# KiCad board panel.kicad_pcb (continued)
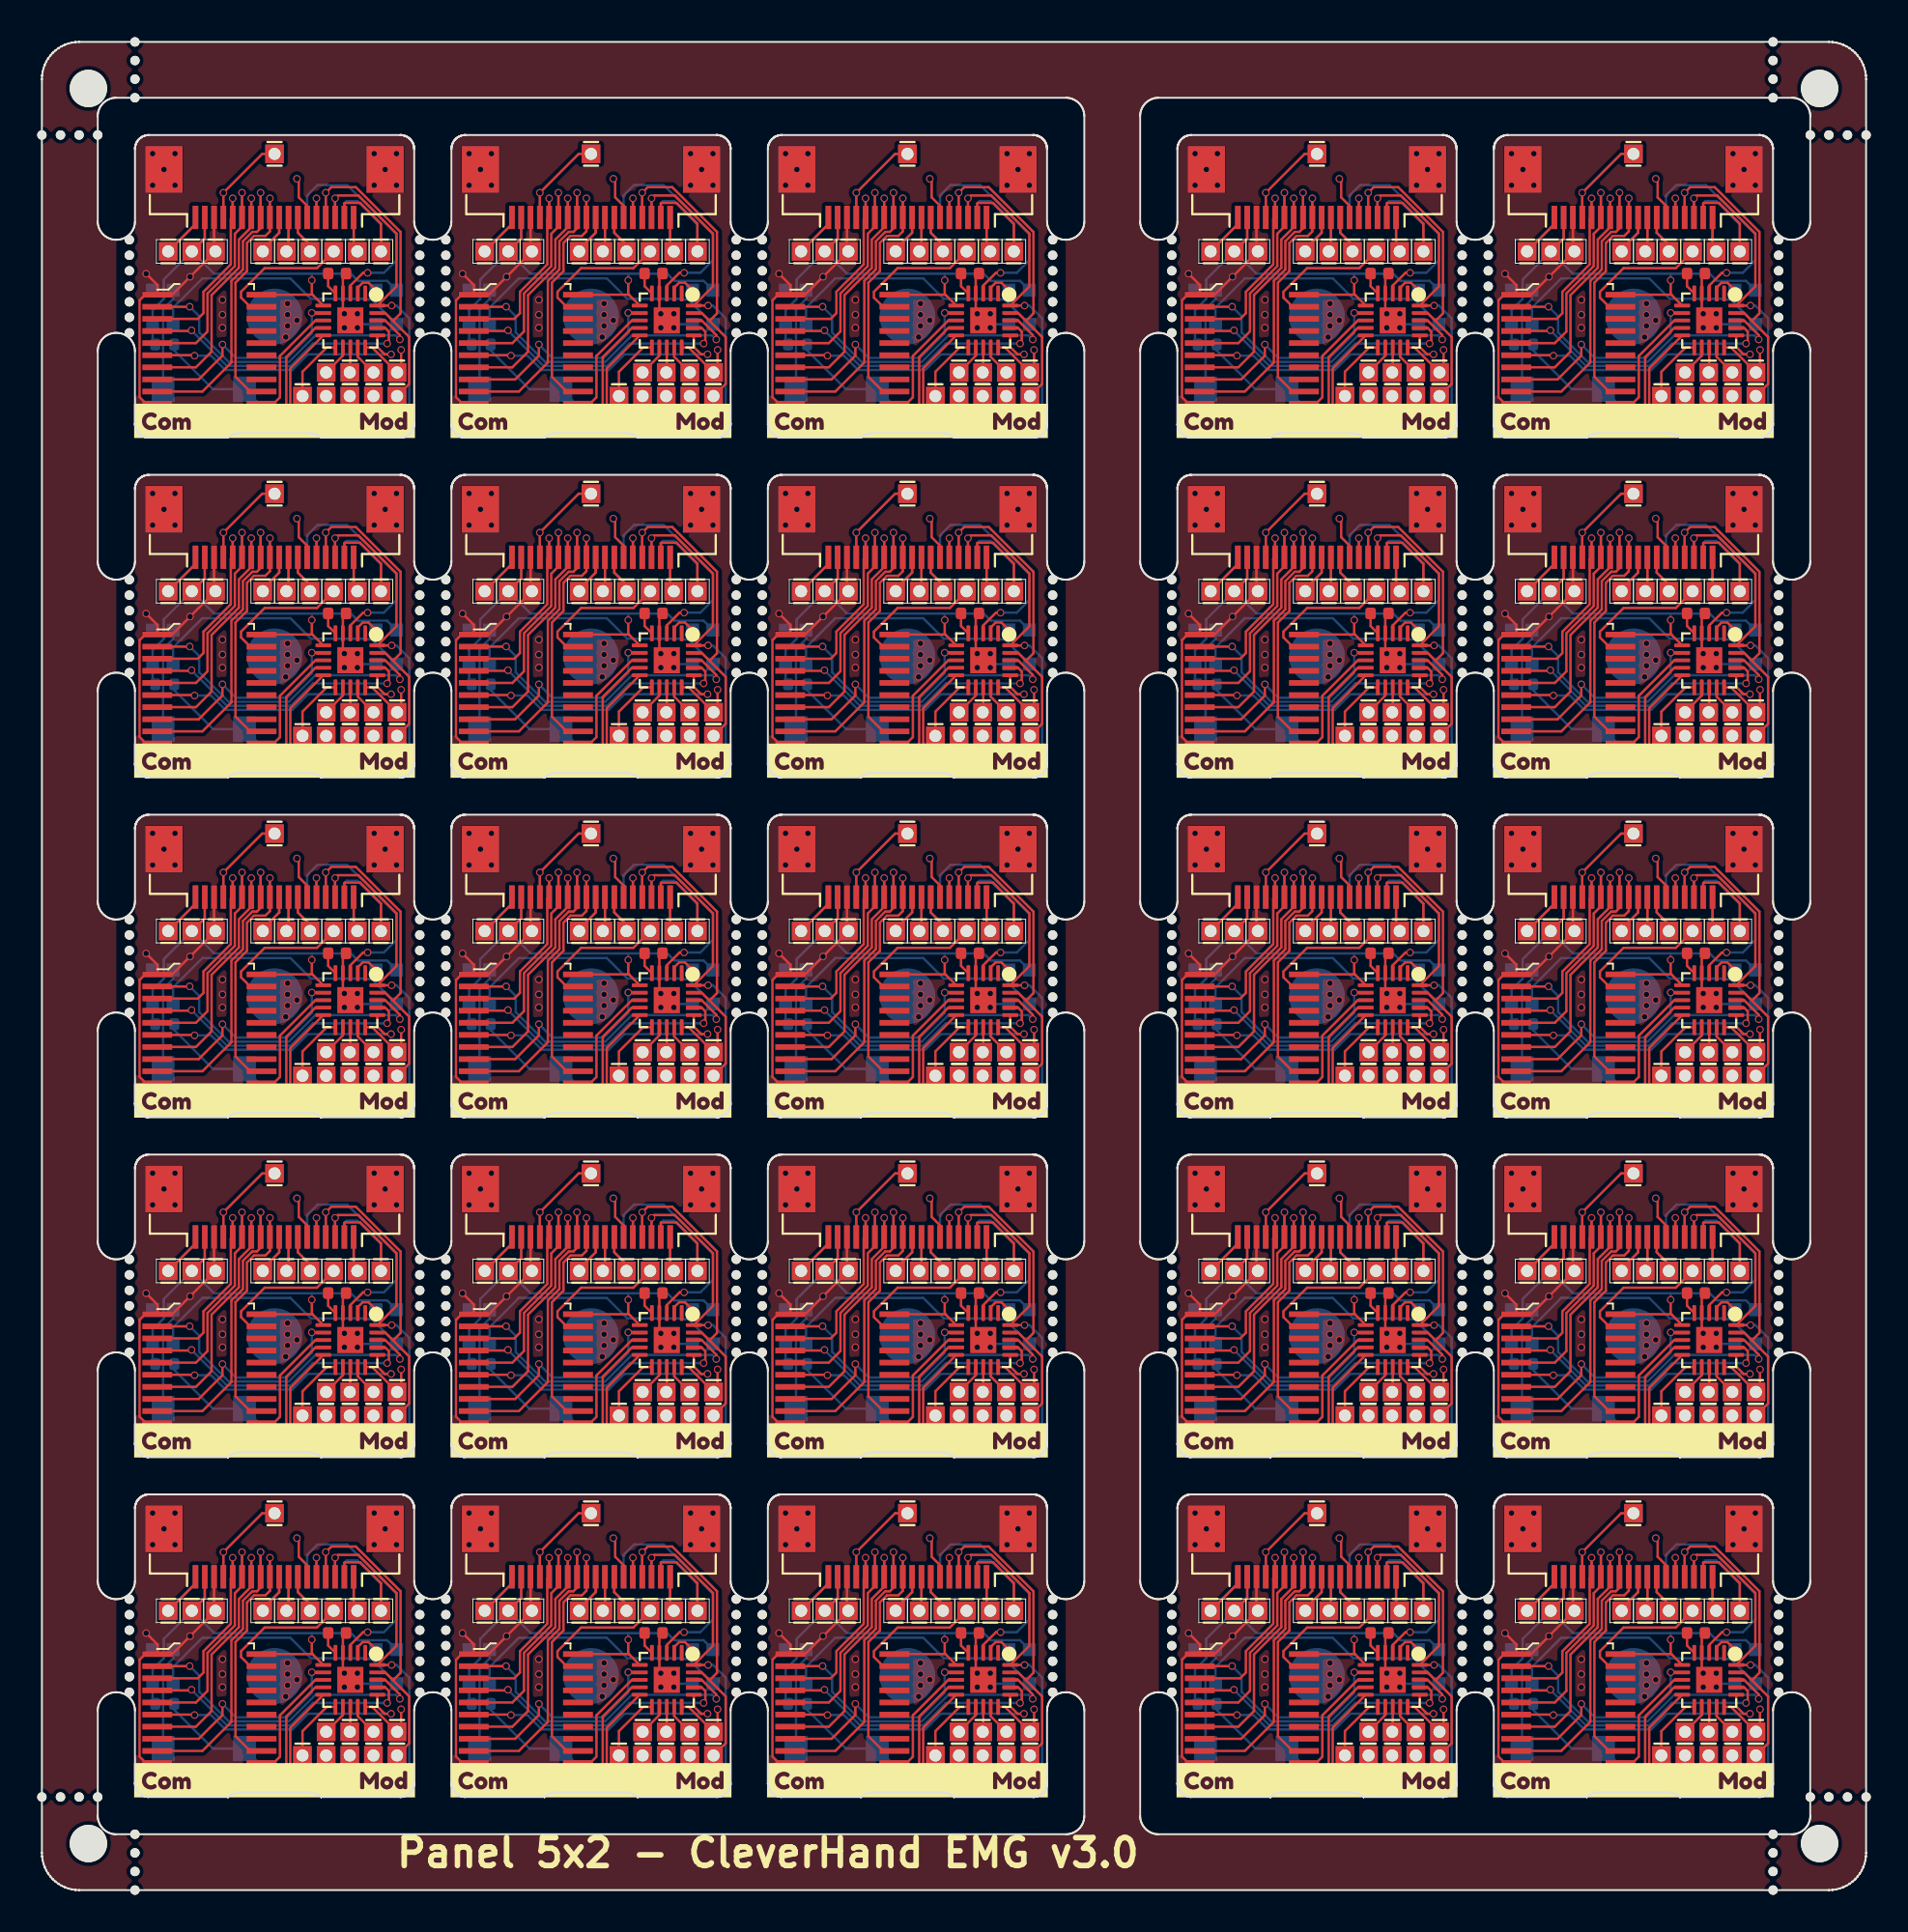
[diagram p0: board, top side]
## Routing (per net, layer and track width the routed paths; a pad name or vN(x,y) marks a point on that pad's centre or on a via; arc(x,y) is an arc through that point) (continued)
  Back w0.127: J10#2.18 25.25,89.47 J19#3.1
Board_1-/AUX2: length 9.4
  Front w0.127: J20#21.1 35.22,89.49 34.1,90.6 33.28,90.6 33.25,90.58 J10#2.2
  Back w0.127: J20#21.1 35.22,89.44 33.96,90.7 33.37,90.7 33.25,90.58 J10#2.2
Board_1-/AUX3: length 6.3
  Front w0.127: J3#5.1 28.84,93.24 v1(26.75,91.15) J10#2.15
  Back w0.127: v1(26.75,91.15) J10#2.15
Board_1-/CSB: length 7.5
  Front w0.127: J8#22.1 31.77,87.1 28.97,87.1 27.7,85.83 27.7,85.52 28.19,85.03 U2#8.19
Board_1-/extRef: length 3.8
  Front w0.127: J9#16.1 33.75,88.2 J10#2.1
  Back w0.127: J10#2.1 33.75,88.2 J9#16.1
Board_1-/GPIO: length 16.9
  Front w0.127: U1#12.10 30.35,81.72 30.35,79.59 30.36,79.58 31.62,79.58 J21#19.1
  Back w0.127: R1#3.2 24.11,82.68 26.19,80.6 SW1#15.1 28.91,79.58 31.62,79.58 J21#19.1
Board_1-/i2C_SCL: length 19.6
  Front w0.127: J10#2.3 v1(32.75,90.85) 32.9,91 34.01,91 36.05,88.96 36.05,86.12 U1#12.20 v1(35.79,85.09)
  Back w0.127: v1(32.75,90.85) J10#2.3 ; v1(35.79,85.09) 36.05,85.09 36.73,84.41 36.73,79.58 35.46,79.58 J16#7.1
Board_1-/I2C_SDA: length 18.4
  Front w0.127: J10#2.4 v1(32.25,91.15) 32.55,91.45 33.86,91.45 36.27,89.05 36.27,84.67 35.87,84.27 ; 35.87,84.27 36.73,83.4 36.73,80.88 J17#13.1 ; 35.87,84.27 35.44,84.69 U1#12.19
  Back w0.127: v1(32.25,91.15) J10#2.4
Board_1-/IO1_in: length 12.2
  Front w0.127: U1#12.3 33.57,86.17 34.25,86.85 v1(34.5,86.85)
  Back w0.127: J4#11.13 31.25,91 31.81,91.56 33.4,91.56 36.05,88.91 36.05,87.53 35.37,86.85 v1(34.5,86.85)
Board_1-/IO1_out: length 19.7
  Front w0.127: U1#12.15 34.74,82.84 J11#16.1 36.3,81.72 v1(36.3,82.71) ; J10#2.6 31.25,90.45 30.8,90.9 30.8,91.8 v1(30.7,91.9)
  In2.Cu w0.127: v1(36.3,82.71) 36.64,83.05 36.64,89.11 33.65,92.1 30.9,92.1 v1(30.7,91.9)
Board_1-/IO2: length 2.1
  Front w0.127: v1(31.75,90.85) J10#2.5
  Back w0.127: J10#2.5 v1(31.75,90.85)
Board_1-/LED_IN: length 1.6
  Front w0.127: U1#12.2 33.97,86.05 34.23,86.32 34.55,86.32 v1(34.95,85.92)
Board_1-/MISO: length 4.4
  Front w0.127: J5#4.1 28.86,88.12 29.75,89 J10#2.9
  Back w0.127: J5#4.1 28.86,88.12 29.75,89 J10#2.9
Board_1-/MOSI: length 3.7
  Front w0.127: J6#23.1 30.25,88.12 J10#2.8
  Back w0.127: J10#2.8 30.25,88.12 J6#23.1
Board_1-/MOSI_ARM: length 1.4
  Front w0.127: J13#22.1 33.57,81.53 U1#12.13
Board_1-/SCLK: length 4.2
  Front w0.127: J7#12.1 31.41,88.35 30.75,89 J10#2.7
  Back w0.127: J10#2.7 30.75,89 31.41,88.35 J7#12.1
Board_1-/SCLK_ARM: length 1.7
  Front w0.127: U1#12.12 33.17,82.4 J14#25.1
Board_1-/SPICS_ARM: length 9.3
  Front w0.127: U1#12.9 31.69,83.89 30.13,82.32 30.13,79.5 30.27,79.36 32.67,79.36 J15#19.1
Board_1-/SWDIO/MISO_ARM: length 1.7
  Front w0.127: J12#21.1 33.97,82.34 U1#12.14
Board_1-/Vcap: length 1.2
  Front w0.127: U1#12.5 32.38,86.13 C1#14.2
Board_1-GND: length 27.5
  Front w0.127: U2#8.1 23.2,86.2 v1(22.6,86.8) ; U2#8.1 22.55,85.68 22.25,85.37 22.25,80.17 22.59,79.83 U2#8.10 ; U2#8.1 24,85.68 v1(24.96,86.64) J2#13.1 26.25,88.08 J10#2.16 ; U1#12.21 33.25,84.61 v1(33.25,84.65) 33.21,84.65 33.17,84.69 U1#12.4 33.17,86.64 C1#14.1
  Back w0.127: 33.66,84.09 33.76,84.09 v1(33.95,83.9) 34.13,84.09 LED1#10.2 ; J2#13.1 26.25,88.08 J10#2.16 ; SW1#15.2 23.51,84.9 24.05,85.44 LED2#11.2 24.24,85.92 v1(24.96,86.64)
  vias: v1(22.95,93.25) v1(22.95,91.55) v1(23.56,92.4) v1(24.15,93.25) v1(24.15,91.55) v1(26.7,85.4) v1(26.7,84.6) v1(26.7,83.9) v1(30.1,83.4) v1(30.2,85.2) v1(30.2,84.6) v1(30.2,84) v1(30.7,84.3) v1(33.25,83.9) v1(33.95,84.65) v1(34.85,93.25) v1(34.85,91.55) v1(35.44,92.4) v1(36.05,93.25) v1(36.05,91.55)
Board_1-Net-(LED1-DO): length 14.6
  Back w0.127: LED1#10.1 34.72,85.41 34.48,85.41 34.45,85.45 31.45,85.45 30.35,86.55 25.62,86.55 24.05,84.98 LED2#11.3
Board_2-+3.3V: length 26.7
  Front w0.127: J1#23.1 42.75,88.7 J10#11.17 ; 48.55,85.66 48.5,85.71 v1(48.5,86.45) ; 48.55,85.66 U1#23.6 ; 48.55,85.66 48.53,85.68 U2#14.20
  Back w0.127: 48.5,86.8 v1(48.5,86.45) ; 48.5,86.8 50.6,86.8 50.98,86.42 52.55,86.42 LED1#2.4 ; 48.5,86.8 43.26,86.8 J1#23.1 ; J1#23.1 42.75,88.7 J10#11.17 ; J1#23.1 40.55,86.49 40.55,85.45 39.95,84.85 LED2#19.4 39.95,83.14 R1#8.1
Board_2-/addr_bus_0: length 10.5
  Front w0.127: v1(44.25,90.85) J10#11.14 44.15,89.73 44.15,87.3 42.68,85.83 42.68,84.68 42.37,84.38 U2#14.3
  Back w0.127: J10#11.14 v1(44.25,90.85)
Board_2-/addr_bus_1: length 12.5
  Front w0.127: U2#14.5 42.27,83.08 42.9,83.7 42.9,85.74 44.37,87.21 44.37,88.95 44.75,89.33 J10#11.13 v1(44.75,91.15)
  Back w0.127: J10#11.13 v1(44.75,91.15)
Board_2-/addr_bus_2: length 13.4
  Front w0.127: U2#14.7 42.27,81.78 43.12,82.62 43.12,85.65 44.58,87.12 44.58,88.63 45.25,89.3 J10#11.12 v1(45.25,90.85)
  Back w0.127: J10#11.12 v1(45.25,90.85)
Board_2-/addr_bus_3: length 15.9
  Front w0.127: U2#14.9 42.62,80.48 44.18,82.03 44.18,86.41 44.8,87.03 44.8,88.54 45.3,89.05 45.55,89.05 45.75,89.24 J10#11.11 v1(45.75,91.15)
  Back w0.127: J10#11.11 v1(45.75,91.15)
Board_2-/addr_bus_4: length 13.5
  Front w0.127: U2#14.12 45.19,80.48 44.4,81.27 44.4,86.32 45.02,86.94 45.02,88.45 45.39,88.83 46.01,88.83 46.25,89.07 J10#11.10 v1(46.25,90.85)
  Back w0.127: J10#11.10 v1(46.25,90.85)
Board_2-/addr_mod_0: length 17.2
  Front w0.127: U2#14.2 41.93,85.03 v1(41.94,85.03) ; v1(53.23,83.27) 53.23,83.51 52.44,84.29 U1#23.18
  Back w0.127: v1(41.94,85.03) 42.45,84.52 42.45,83.65 44.04,82.06 47.27,82.06 48.69,83.49 53.01,83.49 v1(53.23,83.27)
Board_2-/addr_mod_1: length 15
  Front w0.127: U2#14.4 42,83.73 v1(42.04,83.76) ; v1(52.55,83.05) 52.55,83.11 52.64,83.2 52.64,83.7 52.44,83.89 U1#23.17
  Back w0.127: v1(42.04,83.76) 42.04,83.75 43.95,81.85 47.36,81.85 48.56,83.05 v1(52.55,83.05)
Board_2-/addr_mod_2: length 14.8
  Front w0.127: U2#14.6 42.17,82.43 v1(42.2,82.4) ; v1(52.76,82.47) 52.42,82.47 52.02,82.87 U1#23.16
  Back w0.127: v1(52.76,82.47) 48.29,82.47 47.45,81.63 43.86,81.63 43.09,82.4 v1(42.2,82.4)
Board_2-/addr_mod_3: length 12
  Front w0.127: v1(48.5,84.7) 48.68,84.7 48.69,84.69 U1#23.7 ; U2#14.8 42.42,81.13 43.7,82.4 v1(43.7,83)
  Back w0.127: v1(48.5,84.7) 48.5,83.6 47.18,82.28 44.42,82.28 v1(43.7,83)
Board_2-/addr_mod_4: length 6.5
  Front w0.127: U1#23.8 48.69,84.29 46.79,82.39 46.79,80.17 46.45,79.83 U2#14.11
Board_2-/AIN0: length 3.6
  Front w0.127: J18#21.1 48,81.54 49.3,82.84 U1#23.11
Board_2-/AUX1: length 4.9
  Front w0.127: J19#23.1 42.25,89.47 J10#11.18
  Back w0.127: J19#23.1 42.25,89.47 J10#11.18
Board_2-/AUX2: length 9.4
  Front w0.127: J20#7.1 52.22,89.49 51.1,90.6 50.28,90.6 50.25,90.58 J10#11.2
  Back w0.127: J10#11.2 50.25,90.58 50.37,90.7 50.96,90.7 52.22,89.44 J20#7.1
Board_2-/AUX3: length 6.3
  Front w0.127: J3#24.1 45.84,93.24 v1(43.75,91.15) J10#11.15
  Back w0.127: v1(43.75,91.15) J10#11.15
Board_2-/CSB: length 7.5
  Front w0.127: J8#2.1 48.77,87.1 45.97,87.1 44.7,85.83 44.7,85.52 45.19,85.03 U2#14.19
Board_2-/extRef: length 3.8
  Front w0.127: J9#5.1 50.75,88.2 J10#11.1
  Back w0.127: J9#5.1 50.75,88.2 J10#11.1
Board_2-/GPIO: length 16.9
  Front w0.127: U1#23.10 47.35,81.72 47.35,79.59 47.36,79.58 48.62,79.58 J21#18.1
  Back w0.127: J21#18.1 48.62,79.58 45.91,79.58 SW1#4.1 43.19,80.6 41.11,82.68 R1#8.2
Board_2-/i2C_SCL: length 19.6
  Front w0.127: v1(52.79,85.09) U1#23.20 53.05,86.12 53.05,88.96 51.01,91 49.9,91 v1(49.75,90.85) J10#11.3
  Back w0.127: v1(52.79,85.09) 53.05,85.09 53.73,84.41 53.73,79.58 52.46,79.58 J16#25.1 ; v1(49.75,90.85) J10#11.3
Board_2-/I2C_SDA: length 18.4
  Front w0.127: J17#23.1 53.73,80.88 53.73,83.4 52.87,84.27 ; J10#11.4 v1(49.25,91.15) 49.55,91.45 50.86,91.45 53.27,89.05 53.27,84.67 52.87,84.27 ; U1#23.19 52.44,84.69 52.87,84.27
  Back w0.127: v1(49.25,91.15) J10#11.4
Board_2-/IO1_in: length 12.2
  Front w0.127: v1(51.5,86.85) 51.25,86.85 50.57,86.17 U1#23.3
  Back w0.127: J4#23.13 48.25,91 48.81,91.56 50.4,91.56 53.05,88.91 53.05,87.53 52.37,86.85 v1(51.5,86.85)
Board_2-/IO1_out: length 19.7
  Front w0.127: J10#11.6 48.25,90.45 47.8,90.9 47.8,91.8 v1(47.7,91.9) ; U1#23.15 51.74,82.84 J11#21.1 53.3,81.72 v1(53.3,82.71)
  In2.Cu w0.127: v1(47.7,91.9) 47.9,92.1 50.65,92.1 53.64,89.11 53.64,83.05 v1(53.3,82.71)
Board_2-/IO2: length 2.1
  Front w0.127: v1(48.75,90.85) J10#11.5
  Back w0.127: J10#11.5 v1(48.75,90.85)
Board_2-/LED_IN: length 1.6
  Front w0.127: U1#23.2 50.97,86.05 51.23,86.32 51.55,86.32 v1(51.95,85.92)
Board_2-/MISO: length 4.4
  Front w0.127: J5#6.1 45.87,88.12 46.75,89 J10#11.9
  Back w0.127: J5#6.1 45.87,88.12 46.75,89 J10#11.9
Board_2-/MOSI: length 3.7
  Front w0.127: J6#19.1 47.25,88.12 J10#11.8
  Back w0.127: J10#11.8 47.25,88.12 J6#19.1
Board_2-/MOSI_ARM: length 1.4
  Front w0.127: U1#23.13 50.57,81.53 J13#25.1
Board_2-/SCLK: length 4.2
  Front w0.127: J10#11.7 47.75,89 48.41,88.35 J7#5.1
  Back w0.127: J10#11.7 47.75,89 48.41,88.35 J7#5.1
Board_2-/SCLK_ARM: length 1.7
  Front w0.127: U1#23.12 50.17,82.4 J14#3.1
Board_2-/SPICS_ARM: length 9.3
  Front w0.127: J15#11.1 49.67,79.36 47.27,79.36 47.13,79.5 47.13,82.32 48.69,83.89 U1#23.9
Board_2-/SWDIO/MISO_ARM: length 1.7
  Front w0.127: U1#23.14 50.97,82.34 J12#12.1
Board_2-/Vcap: length 1.2
  Front w0.127: C1#17.2 49.38,86.13 U1#23.5
Board_2-GND: length 27.5
  Front w0.127: U2#14.1 40.2,86.2 v1(39.6,86.8) ; U2#14.1 41,85.68 v1(41.96,86.64) J2#17.1 43.25,88.08 J10#11.16 ; U2#14.1 39.55,85.68 39.25,85.37 39.25,80.17 39.59,79.83 U2#14.10 ; U1#23.21 50.25,84.61 v1(50.25,84.65) 50.21,84.65 50.17,84.69 U1#23.4 50.17,86.64 C1#17.1
  Back w0.127: LED1#2.2 51.13,84.09 v1(50.95,83.9) 50.76,84.09 50.66,84.09 ; SW1#4.2 40.51,84.9 41.05,85.44 LED2#19.2 41.24,85.92 v1(41.96,86.64) ; J10#11.16 43.25,88.08 J2#17.1
  vias: v1(39.95,93.25) v1(39.95,91.55) v1(40.56,92.4) v1(41.15,93.25) v1(41.15,91.55) v1(43.7,85.4) v1(43.7,84.6) v1(43.7,83.9) v1(47.1,83.4) v1(47.2,85.2) v1(47.2,84.6) v1(47.2,84) v1(47.7,84.3) v1(50.25,83.9) v1(50.95,84.65) v1(51.85,93.25) v1(51.85,91.55) v1(52.44,92.4) v1(53.05,93.25) v1(53.05,91.55)
Board_2-Net-(LED1-DO): length 14.6
  Back w0.127: LED1#2.1 51.72,85.41 51.48,85.41 51.45,85.45 48.45,85.45 47.35,86.55 42.62,86.55 41.05,84.98 LED2#19.3
Board_3-+3.3V: length 26.7
  Front w0.127: 70.55,85.66 70.5,85.71 v1(70.5,86.45) ; 70.55,85.66 U1#24.6 ; 70.55,85.66 70.53,85.68 U2#11.20 ; J1#22.1 64.75,88.7 J10#14.17
  Back w0.127: 70.5,86.8 65.25,86.8 J1#22.1 ; 70.5,86.8 72.6,86.8 72.98,86.42 74.55,86.42 LED1.4 ; 70.5,86.8 v1(70.5,86.45) ; J10#14.17 64.75,88.7 J1#22.1 ; J1#22.1 62.55,86.49 62.55,85.45 61.95,84.85 LED2#25.4 61.95,83.14 R1#21.1
Board_3-/addr_bus_0: length 10.5
  Front w0.127: v1(66.25,90.85) J10#14.14 66.15,89.73 66.15,87.3 64.68,85.83 64.68,84.68 64.37,84.38 U2#11.3
  Back w0.127: J10#14.14 v1(66.25,90.85)
Board_3-/addr_bus_1: length 12.5
  Front w0.127: v1(66.75,91.15) J10#14.13 66.75,89.33 66.37,88.95 66.37,87.21 64.9,85.74 64.9,83.7 64.27,83.08 U2#11.5
  Back w0.127: J10#14.13 v1(66.75,91.15)
Board_3-/addr_bus_2: length 13.4
  Front w0.127: U2#11.7 64.27,81.78 65.12,82.62 65.12,85.65 66.58,87.12 66.58,88.63 67.25,89.3 J10#14.12 v1(67.25,90.85)
  Back w0.127: J10#14.12 v1(67.25,90.85)
Board_3-/addr_bus_3: length 15.9
  Front w0.127: v1(67.75,91.15) J10#14.11 67.75,89.24 67.55,89.05 67.3,89.05 66.8,88.54 66.8,87.03 66.18,86.41 66.18,82.03 64.62,80.48 U2#11.9
  Back w0.127: J10#14.11 v1(67.75,91.15)
Board_3-/addr_bus_4: length 13.5
  Front w0.127: U2#11.12 67.19,80.48 66.4,81.27 66.4,86.32 67.02,86.94 67.02,88.45 67.39,88.83 68.01,88.83 68.25,89.07 J10#14.10 v1(68.25,90.85)
  Back w0.127: J10#14.10 v1(68.25,90.85)
Board_3-/addr_mod_0: length 17.2
  Front w0.127: v1(63.94,85.03) 63.93,85.03 U2#11.2 ; v1(75.23,83.27) 75.23,83.51 74.44,84.29 U1#24.18
  Back w0.127: v1(63.94,85.03) 64.45,84.52 64.45,83.65 66.04,82.06 69.27,82.06 70.69,83.49 75.01,83.49 v1(75.23,83.27)
Board_3-/addr_mod_1: length 15
  Front w0.127: v1(64.04,83.76) 64,83.73 U2#11.4 ; U1#24.17 74.44,83.89 74.64,83.7 74.64,83.2 74.55,83.11 v1(74.55,83.05)
  Back w0.127: v1(64.04,83.76) 64.04,83.75 65.95,81.85 69.36,81.85 70.56,83.05 v1(74.55,83.05)
Board_3-/addr_mod_2: length 14.8
  Front w0.127: v1(64.2,82.4) 64.17,82.43 U2#11.6 ; v1(74.76,82.47) 74.42,82.47 74.02,82.87 U1#24.16
  Back w0.127: v1(64.2,82.4) 65.09,82.4 65.86,81.63 69.45,81.63 70.29,82.47 v1(74.76,82.47)
Board_3-/addr_mod_3: length 12
  Front w0.127: U2#11.8 64.42,81.13 65.7,82.4 v1(65.7,83) ; v1(70.5,84.7) 70.68,84.7 70.69,84.69 U1#24.7
  Back w0.127: v1(70.5,84.7) 70.5,83.6 69.18,82.28 66.42,82.28 v1(65.7,83)
Board_3-/addr_mod_4: length 6.5
  Front w0.127: U1#24.8 70.69,84.29 68.79,82.39 68.79,80.17 68.45,79.83 U2#11.11
Board_3-/AIN0: length 3.6
  Front w0.127: U1#24.11 71.3,82.84 70,81.54 J18#14.1
Board_3-/AUX1: length 4.9
  Front w0.127: J10#14.18 64.25,89.47 J19#17.1
  Back w0.127: J10#14.18 64.25,89.47 J19#17.1
Board_3-/AUX2: length 9.4
  Front w0.127: J10#14.2 72.25,90.58 72.28,90.6 73.1,90.6 74.22,89.49 J20#24.1
  Back w0.127: J20#24.1 74.22,89.44 72.96,90.7 72.37,90.7 72.25,90.58 J10#14.2
Board_3-/AUX3: length 6.3
  Front w0.127: J10#14.15 v1(65.75,91.15) 67.84,93.24 J3#22.1
  Back w0.127: v1(65.75,91.15) J10#14.15
Board_3-/CSB: length 7.5
  Front w0.127: J8#20.1 70.78,87.1 67.97,87.1 66.7,85.83 66.7,85.52 67.19,85.03 U2#11.19
Board_3-/extRef: length 3.8
  Front w0.127: J10#14.1 72.75,88.2 J9#14.1
  Back w0.127: J9#14.1 72.75,88.2 J10#14.1
Board_3-/GPIO: length 16.9
  Front w0.127: U1#24.10 69.35,81.72 69.35,79.59 69.36,79.58 70.62,79.58 J21#12.1
  Back w0.127: R1#21.2 63.11,82.68 65.19,80.6 SW1#9.1 67.91,79.58 70.62,79.58 J21#12.1
Board_3-/i2C_SCL: length 19.6
  Front w0.127: v1(74.79,85.09) U1#24.20 75.05,86.12 75.05,88.96 73.01,91 71.9,91 v1(71.75,90.85) J10#14.3
  Back w0.127: v1(74.79,85.09) 75.05,85.09 75.73,84.41 75.73,79.58 74.46,79.58 J16#9.1 ; v1(71.75,90.85) J10#14.3
Board_3-/I2C_SDA: length 18.4
  Front w0.127: 74.87,84.27 75.73,83.4 75.73,80.88 J17#8.1 ; 74.87,84.27 75.27,84.67 75.27,89.05 72.86,91.45 71.55,91.45 v1(71.25,91.15) J10#14.4 ; 74.87,84.27 74.44,84.69 U1#24.19
  Back w0.127: v1(71.25,91.15) J10#14.4
Board_3-/IO1_in: length 12.2
  Front w0.127: U1#24.3 72.57,86.17 73.25,86.85 v1(73.5,86.85)
  Back w0.127: J4#22.13 70.25,91 70.81,91.56 72.4,91.56 75.05,88.91 75.05,87.53 74.37,86.85 v1(73.5,86.85)
Board_3-/IO1_out: length 19.7
  Front w0.127: v1(69.7,91.9) 69.8,91.8 69.8,90.9 70.25,90.45 J10#14.6 ; U1#24.15 73.74,82.84 J11#22.1 75.3,81.72 v1(75.3,82.71)
  In2.Cu w0.127: v1(75.3,82.71) 75.64,83.05 75.64,89.11 72.65,92.1 69.9,92.1 v1(69.7,91.9)
Board_3-/IO2: length 2.1
  Front w0.127: v1(70.75,90.85) J10#14.5
  Back w0.127: J10#14.5 v1(70.75,90.85)
Board_3-/LED_IN: length 1.6
  Front w0.127: v1(73.95,85.92) 73.55,86.32 73.23,86.32 72.97,86.05 U1#24.2
Board_3-/MISO: length 4.4
  Front w0.127: J5#21.1 67.86,88.12 68.75,89 J10#14.9
  Back w0.127: J10#14.9 68.75,89 67.86,88.12 J5#21.1
Board_3-/MOSI: length 3.7
  Front w0.127: J6#3.1 69.25,88.12 J10#14.8
  Back w0.127: J6#3.1 69.25,88.12 J10#14.8
Board_3-/MOSI_ARM: length 1.4
  Front w0.127: U1#24.13 72.57,81.53 J13#5.1
Board_3-/SCLK: length 4.2
  Front w0.127: J10#14.7 69.75,89 70.41,88.35 J7#21.1
  Back w0.127: J10#14.7 69.75,89 70.41,88.35 J7#21.1
Board_3-/SCLK_ARM: length 1.7
  Front w0.127: U1#24.12 72.17,82.4 J14#7.1
Board_3-/SPICS_ARM: length 9.3
  Front w0.127: U1#24.9 70.69,83.89 69.13,82.32 69.13,79.5 69.27,79.36 71.67,79.36 J15#23.1
Board_3-/SWDIO/MISO_ARM: length 1.7
  Front w0.127: U1#24.14 72.97,82.34 J12#22.1
Board_3-/Vcap: length 1.2
  Front w0.127: U1#24.5 71.38,86.13 C1#2.2
Board_3-GND: length 27.5
  Front w0.127: U2#11.1 63,85.68 v1(63.96,86.64) J2#16.1 65.25,88.08 J10#14.16 ; U2#11.1 61.55,85.68 61.25,85.37 61.25,80.17 61.59,79.83 U2#11.10 ; U2#11.1 62.2,86.2 v1(61.6,86.8) ; U1#24.21 72.25,84.61 v1(72.25,84.65) 72.21,84.65 72.17,84.69 U1#24.4 72.17,86.64 C1#2.1
  Back w0.127: J10#14.16 65.25,88.08 J2#16.1 ; LED1.2 73.13,84.09 v1(72.95,83.9) 72.76,84.09 72.66,84.09 ; SW1#9.2 62.51,84.9 63.05,85.44 LED2#25.2 63.24,85.92 v1(63.96,86.64)
  vias: v1(61.95,93.25) v1(61.95,91.55) v1(62.56,92.4) v1(63.15,93.25) v1(63.15,91.55) v1(65.7,85.4) v1(65.7,84.6) v1(65.7,83.9) v1(69.1,83.4) v1(69.2,85.2) v1(69.2,84.6) v1(69.2,84) v1(69.7,84.3) v1(72.25,83.9) v1(72.95,84.65) v1(73.85,93.25) v1(73.85,91.55) v1(74.44,92.4) v1(75.05,93.25) v1(75.05,91.55)
Board_3-Net-(LED1-DO): length 14.6
  Back w0.127: LED2#25.3 63.05,84.98 64.62,86.55 69.35,86.55 70.45,85.45 73.45,85.45 73.48,85.41 73.72,85.41 LED1.1
Board_4-+3.3V: length 26.7
  Front w0.127: 87.55,85.66 87.5,85.71 v1(87.5,86.45) ; 87.55,85.66 U1#3.6 ; 87.55,85.66 87.53,85.68 U2#12.20 ; J1#4.1 81.75,88.7 J10.17
  Back w0.127: J1#4.1 82.25,86.8 87.5,86.8 ; J1#4.1 81.75,88.7 J10.17 ; J1#4.1 79.55,86.49 79.55,85.45 78.95,84.85 LED2#7.4 78.95,83.14 R1#14.1 ; 87.5,86.8 v1(87.5,86.45) ; 87.5,86.8 89.6,86.8 89.98,86.42 91.55,86.42 LED1#24.4
Board_4-/addr_bus_0: length 10.5
  Front w0.127: v1(83.25,90.85) J10.14 83.15,89.73 83.15,87.3 81.68,85.83 81.68,84.68 81.37,84.38 U2#12.3
  Back w0.127: J10.14 v1(83.25,90.85)
Board_4-/addr_bus_1: length 12.5
  Front w0.127: U2#12.5 81.27,83.08 81.9,83.7 81.9,85.74 83.37,87.21 83.37,88.95 83.75,89.33 J10.13 v1(83.75,91.15)
  Back w0.127: J10.13 v1(83.75,91.15)
Board_4-/addr_bus_2: length 13.4
  Front w0.127: v1(84.25,90.85) J10.12 84.25,89.3 83.58,88.63 83.58,87.12 82.12,85.65 82.12,82.62 81.27,81.78 U2#12.7
  Back w0.127: J10.12 v1(84.25,90.85)
Board_4-/addr_bus_3: length 15.9
  Front w0.127: v1(84.75,91.15) J10.11 84.75,89.24 84.55,89.05 84.3,89.05 83.8,88.54 83.8,87.03 83.18,86.41 83.18,82.03 81.62,80.48 U2#12.9
  Back w0.127: J10.11 v1(84.75,91.15)
Board_4-/addr_bus_4: length 13.5
  Front w0.127: U2#12.12 84.19,80.48 83.4,81.27 83.4,86.32 84.02,86.94 84.02,88.45 84.39,88.83 85.01,88.83 85.25,89.07 J10.10 v1(85.25,90.85)
  Back w0.127: J10.10 v1(85.25,90.85)
Board_4-/addr_mod_0: length 17.2
  Front w0.127: v1(80.94,85.03) 80.93,85.03 U2#12.2 ; v1(92.23,83.27) 92.23,83.51 91.44,84.29 U1#3.18
  Back w0.127: v1(92.23,83.27) 92.01,83.49 87.69,83.49 86.27,82.06 83.04,82.06 81.45,83.65 81.45,84.52 v1(80.94,85.03)
Board_4-/addr_mod_1: length 15
  Front w0.127: U2#12.4 81,83.73 v1(81.04,83.76) ; U1#3.17 91.44,83.89 91.64,83.7 91.64,83.2 91.55,83.11 v1(91.55,83.05)
  Back w0.127: v1(81.04,83.76) 81.04,83.75 82.95,81.85 86.36,81.85 87.56,83.05 v1(91.55,83.05)
Board_4-/addr_mod_2: length 14.8
  Front w0.127: U2#12.6 81.17,82.43 v1(81.2,82.4) ; v1(91.76,82.47) 91.42,82.47 91.02,82.87 U1#3.16
  Back w0.127: v1(81.2,82.4) 82.09,82.4 82.86,81.63 86.45,81.63 87.29,82.47 v1(91.76,82.47)
Board_4-/addr_mod_3: length 12
  Front w0.127: U2#12.8 81.42,81.13 82.7,82.4 v1(82.7,83) ; v1(87.5,84.7) 87.68,84.7 87.69,84.69 U1#3.7
  Back w0.127: v1(87.5,84.7) 87.5,83.6 86.18,82.28 83.42,82.28 v1(82.7,83)
Board_4-/addr_mod_4: length 6.5
  Front w0.127: U1#3.8 87.69,84.29 85.79,82.39 85.79,80.17 85.45,79.83 U2#12.11
Board_4-/AIN0: length 3.6
  Front w0.127: J18#12.1 87,81.54 88.3,82.84 U1#3.11
Board_4-/AUX1: length 4.9
  Front w0.127: J10.18 81.25,89.47 J19#16.1
  Back w0.127: J19#16.1 81.25,89.47 J10.18
Board_4-/AUX2: length 9.4
  Front w0.127: J20#22.1 91.22,89.49 90.1,90.6 89.28,90.6 89.25,90.58 J10.2
  Back w0.127: J20#22.1 91.22,89.44 89.96,90.7 89.37,90.7 89.25,90.58 J10.2
Board_4-/AUX3: length 6.3
  Front w0.127: J10.15 v1(82.75,91.15) 84.84,93.24 J3#23.1
  Back w0.127: v1(82.75,91.15) J10.15
Board_4-/CSB: length 7.5
  Front w0.127: U2#12.19 84.19,85.03 83.7,85.52 83.7,85.83 84.97,87.1 87.78,87.1 J8#6.1
Board_4-/extRef: length 3.8
  Front w0.127: J10.1 89.75,88.2 J9#13.1
  Back w0.127: J9#13.1 89.75,88.2 J10.1
Board_4-/GPIO: length 16.9
  Front w0.127: J21#11.1 87.62,79.58 86.36,79.58 86.35,79.59 86.35,81.72 U1#3.10
  Back w0.127: J21#11.1 87.62,79.58 84.91,79.58 SW1#21.1 82.19,80.6 80.11,82.68 R1#14.2
Board_4-/i2C_SCL: length 19.6
  Front w0.127: J10.3 v1(88.75,90.85) 88.9,91 90.01,91 92.05,88.96 92.05,86.12 U1#3.20 v1(91.79,85.09)
  Back w0.127: v1(91.79,85.09) 92.05,85.09 92.73,84.41 92.73,79.58 91.46,79.58 J16#4.1 ; v1(88.75,90.85) J10.3
Board_4-/I2C_SDA: length 18.4
  Front w0.127: 91.87,84.27 91.44,84.69 U1#3.19 ; 91.87,84.27 92.27,84.67 92.27,89.05 89.86,91.45 88.55,91.45 v1(88.25,91.15) J10.4 ; 91.87,84.27 92.73,83.4 92.73,80.88 J17#16.1
  Back w0.127: v1(88.25,91.15) J10.4
Board_4-/IO1_in: length 12.2
  Front w0.127: U1#3.3 89.57,86.17 90.25,86.85 v1(90.5,86.85)
  Back w0.127: v1(90.5,86.85) 91.37,86.85 92.05,87.53 92.05,88.91 89.4,91.56 87.81,91.56 87.25,91 J4#5.13
Board_4-/IO1_out: length 19.7
  Front w0.127: J10.6 87.25,90.45 86.8,90.9 86.8,91.8 v1(86.7,91.9) ; v1(92.3,82.71) 92.3,81.72 J11#25.1 90.74,82.84 U1#3.15
  In2.Cu w0.127: v1(92.3,82.71) 92.64,83.05 92.64,89.11 89.65,92.1 86.9,92.1 v1(86.7,91.9)
Board_4-/IO2: length 2.1
  Front w0.127: v1(87.75,90.85) J10.5
  Back w0.127: J10.5 v1(87.75,90.85)
Board_4-/LED_IN: length 1.6
  Front w0.127: v1(90.95,85.92) 90.55,86.32 90.23,86.32 89.97,86.05 U1#3.2
Board_4-/MISO: length 4.4
  Front w0.127: J10.9 85.75,89 84.87,88.12 J5#8.1
  Back w0.127: J10.9 85.75,89 84.87,88.12 J5#8.1
Board_4-/MOSI: length 3.7
  Front w0.127: J6#9.1 86.25,88.12 J10.8
  Back w0.127: J6#9.1 86.25,88.12 J10.8
Board_4-/MOSI_ARM: length 1.4
  Front w0.127: J13#12.1 89.57,81.53 U1#3.13
Board_4-/SCLK: length 4.2
  Front w0.127: J7#9.1 87.41,88.35 86.75,89 J10.7
  Back w0.127: J7#9.1 87.41,88.35 86.75,89 J10.7
Board_4-/SCLK_ARM: length 1.7
  Front w0.127: J14#14.1 89.17,82.4 U1#3.12
Board_4-/SPICS_ARM: length 9.3
  Front w0.127: U1#3.9 87.69,83.89 86.13,82.32 86.13,79.5 86.27,79.36 88.67,79.36 J15#12.1
Board_4-/SWDIO/MISO_ARM: length 1.7
  Front w0.127: J12#19.1 89.97,82.34 U1#3.14
Board_4-/Vcap: length 1.2
  Front w0.127: C1#3.2 88.38,86.13 U1#3.5
Board_4-GND: length 27.5
  Front w0.127: U2#12.10 78.59,79.83 78.25,80.17 78.25,85.37 78.55,85.68 U2#12.1 ; J10.16 82.25,88.08 J2#25.1 v1(80.96,86.64) 80,85.68 U2#12.1 ; U2#12.1 79.2,86.2 v1(78.6,86.8) ; C1#3.1 89.17,86.64 U1#3.4 89.17,84.69 89.21,84.65 v1(89.25,84.65) 89.25,84.61 U1#3.21
  Back w0.127: LED1#24.2 90.13,84.09 v1(89.95,83.9) 89.76,84.09 89.66,84.09 ; SW1#21.2 79.51,84.9 80.05,85.44 LED2#7.2 80.24,85.92 v1(80.96,86.64) ; J2#25.1 82.25,88.08 J10.16
  vias: v1(78.95,93.25) v1(78.95,91.55) v1(79.56,92.4) v1(80.15,93.25) v1(80.15,91.55) v1(82.7,85.4) v1(82.7,84.6) v1(82.7,83.9) v1(86.1,83.4) v1(86.2,85.2) v1(86.2,84.6) v1(86.2,84) v1(86.7,84.3) v1(89.25,83.9) v1(89.95,84.65) v1(90.85,93.25) v1(90.85,91.55) v1(91.44,92.4) v1(92.05,93.25) v1(92.05,91.55)
Board_4-Net-(LED1-DO): length 14.6
  Back w0.127: LED2#7.3 80.05,84.98 81.62,86.55 86.35,86.55 87.45,85.45 90.45,85.45 90.48,85.41 90.72,85.41 LED1#24.1
Board_5-+3.3V: length 26.7
  Front w0.127: 14.55,67.41 14.53,67.43 U2#5.20 ; 14.55,67.41 U1#18.6 ; 14.55,67.41 14.5,67.46 v1(14.5,68.2) ; J10#16.17 8.75,70.45 J1#9.1
  Back w0.127: J1#9.1 8.75,70.45 J10#16.17 ; J1#9.1 9.26,68.55 14.5,68.55 ; J1#9.1 6.55,68.24 6.55,67.2 5.95,66.6 LED2#22.4 5.95,64.89 R1#12.1 ; LED1#17.4 18.55,68.17 16.98,68.17 16.6,68.55 14.5,68.55 ; 14.5,68.55 v1(14.5,68.2)
Board_5-/addr_bus_0: length 10.5
  Front w0.127: U2#5.3 8.37,66.13 8.68,66.43 8.68,67.58 10.15,69.05 10.15,71.48 J10#16.14 v1(10.25,72.6)
  Back w0.127: J10#16.14 v1(10.25,72.6)
Board_5-/addr_bus_1: length 12.5
  Front w0.127: U2#5.5 8.27,64.83 8.9,65.45 8.9,67.49 10.37,68.96 10.37,70.7 10.75,71.08 J10#16.13 v1(10.75,72.9)
  Back w0.127: J10#16.13 v1(10.75,72.9)
Board_5-/addr_bus_2: length 13.4
  Front w0.127: U2#5.7 8.27,63.53 9.12,64.37 9.12,67.4 10.58,68.87 10.58,70.38 11.25,71.05 J10#16.12 v1(11.25,72.6)
  Back w0.127: J10#16.12 v1(11.25,72.6)
Board_5-/addr_bus_3: length 15.9
  Front w0.127: U2#5.9 8.62,62.23 10.18,63.78 10.18,68.16 10.8,68.78 10.8,70.29 11.3,70.8 11.55,70.8 11.75,70.99 J10#16.11 v1(11.75,72.9)
  Back w0.127: J10#16.11 v1(11.75,72.9)
Board_5-/addr_bus_4: length 13.5
  Front w0.127: v1(12.25,72.6) J10#16.10 12.25,70.82 12.01,70.58 11.39,70.58 11.02,70.2 11.02,68.69 10.4,68.07 10.4,63.02 11.19,62.23 U2#5.12
  Back w0.127: J10#16.10 v1(12.25,72.6)
Board_5-/addr_mod_0: length 17.2
  Front w0.127: v1(7.94,66.78) 7.93,66.78 U2#5.2 ; v1(19.23,65.02) 19.23,65.26 18.44,66.04 U1#18.18
  Back w0.127: v1(7.94,66.78) 8.45,66.27 8.45,65.4 10.04,63.81 13.27,63.81 14.69,65.24 19.01,65.24 v1(19.23,65.02)
Board_5-/addr_mod_1: length 15
  Front w0.127: U2#5.4 8,65.48 v1(8.04,65.51) ; U1#18.17 18.44,65.64 18.64,65.45 18.64,64.95 18.55,64.86 v1(18.55,64.8)
  Back w0.127: v1(8.04,65.51) 8.04,65.5 9.95,63.6 13.36,63.6 14.56,64.8 v1(18.55,64.8)
Board_5-/addr_mod_2: length 14.8
  Front w0.127: v1(8.2,64.15) 8.17,64.18 U2#5.6 ; U1#18.16 18.02,64.62 18.42,64.22 v1(18.76,64.22)
  Back w0.127: v1(18.76,64.22) 14.29,64.22 13.45,63.38 9.86,63.38 9.09,64.15 v1(8.2,64.15)
Board_5-/addr_mod_3: length 12
  Front w0.127: U1#18.7 14.69,66.44 14.68,66.45 v1(14.5,66.45) ; U2#5.8 8.42,62.88 9.7,64.15 v1(9.7,64.75)
  Back w0.127: v1(14.5,66.45) 14.5,65.35 13.18,64.03 10.42,64.03 v1(9.7,64.75)
Board_5-/addr_mod_4: length 6.5
  Front w0.127: U1#18.8 14.69,66.04 12.79,64.14 12.79,61.92 12.45,61.58 U2#5.11
Board_5-/AIN0: length 3.6
  Front w0.127: J18#24.1 14,63.29 15.3,64.59 U1#18.11
Board_5-/AUX1: length 4.9
  Front w0.127: J19#24.1 8.25,71.22 J10#16.18
  Back w0.127: J10#16.18 8.25,71.22 J19#24.1
